# KiCad board Neptune.kicad_pcb (continued)
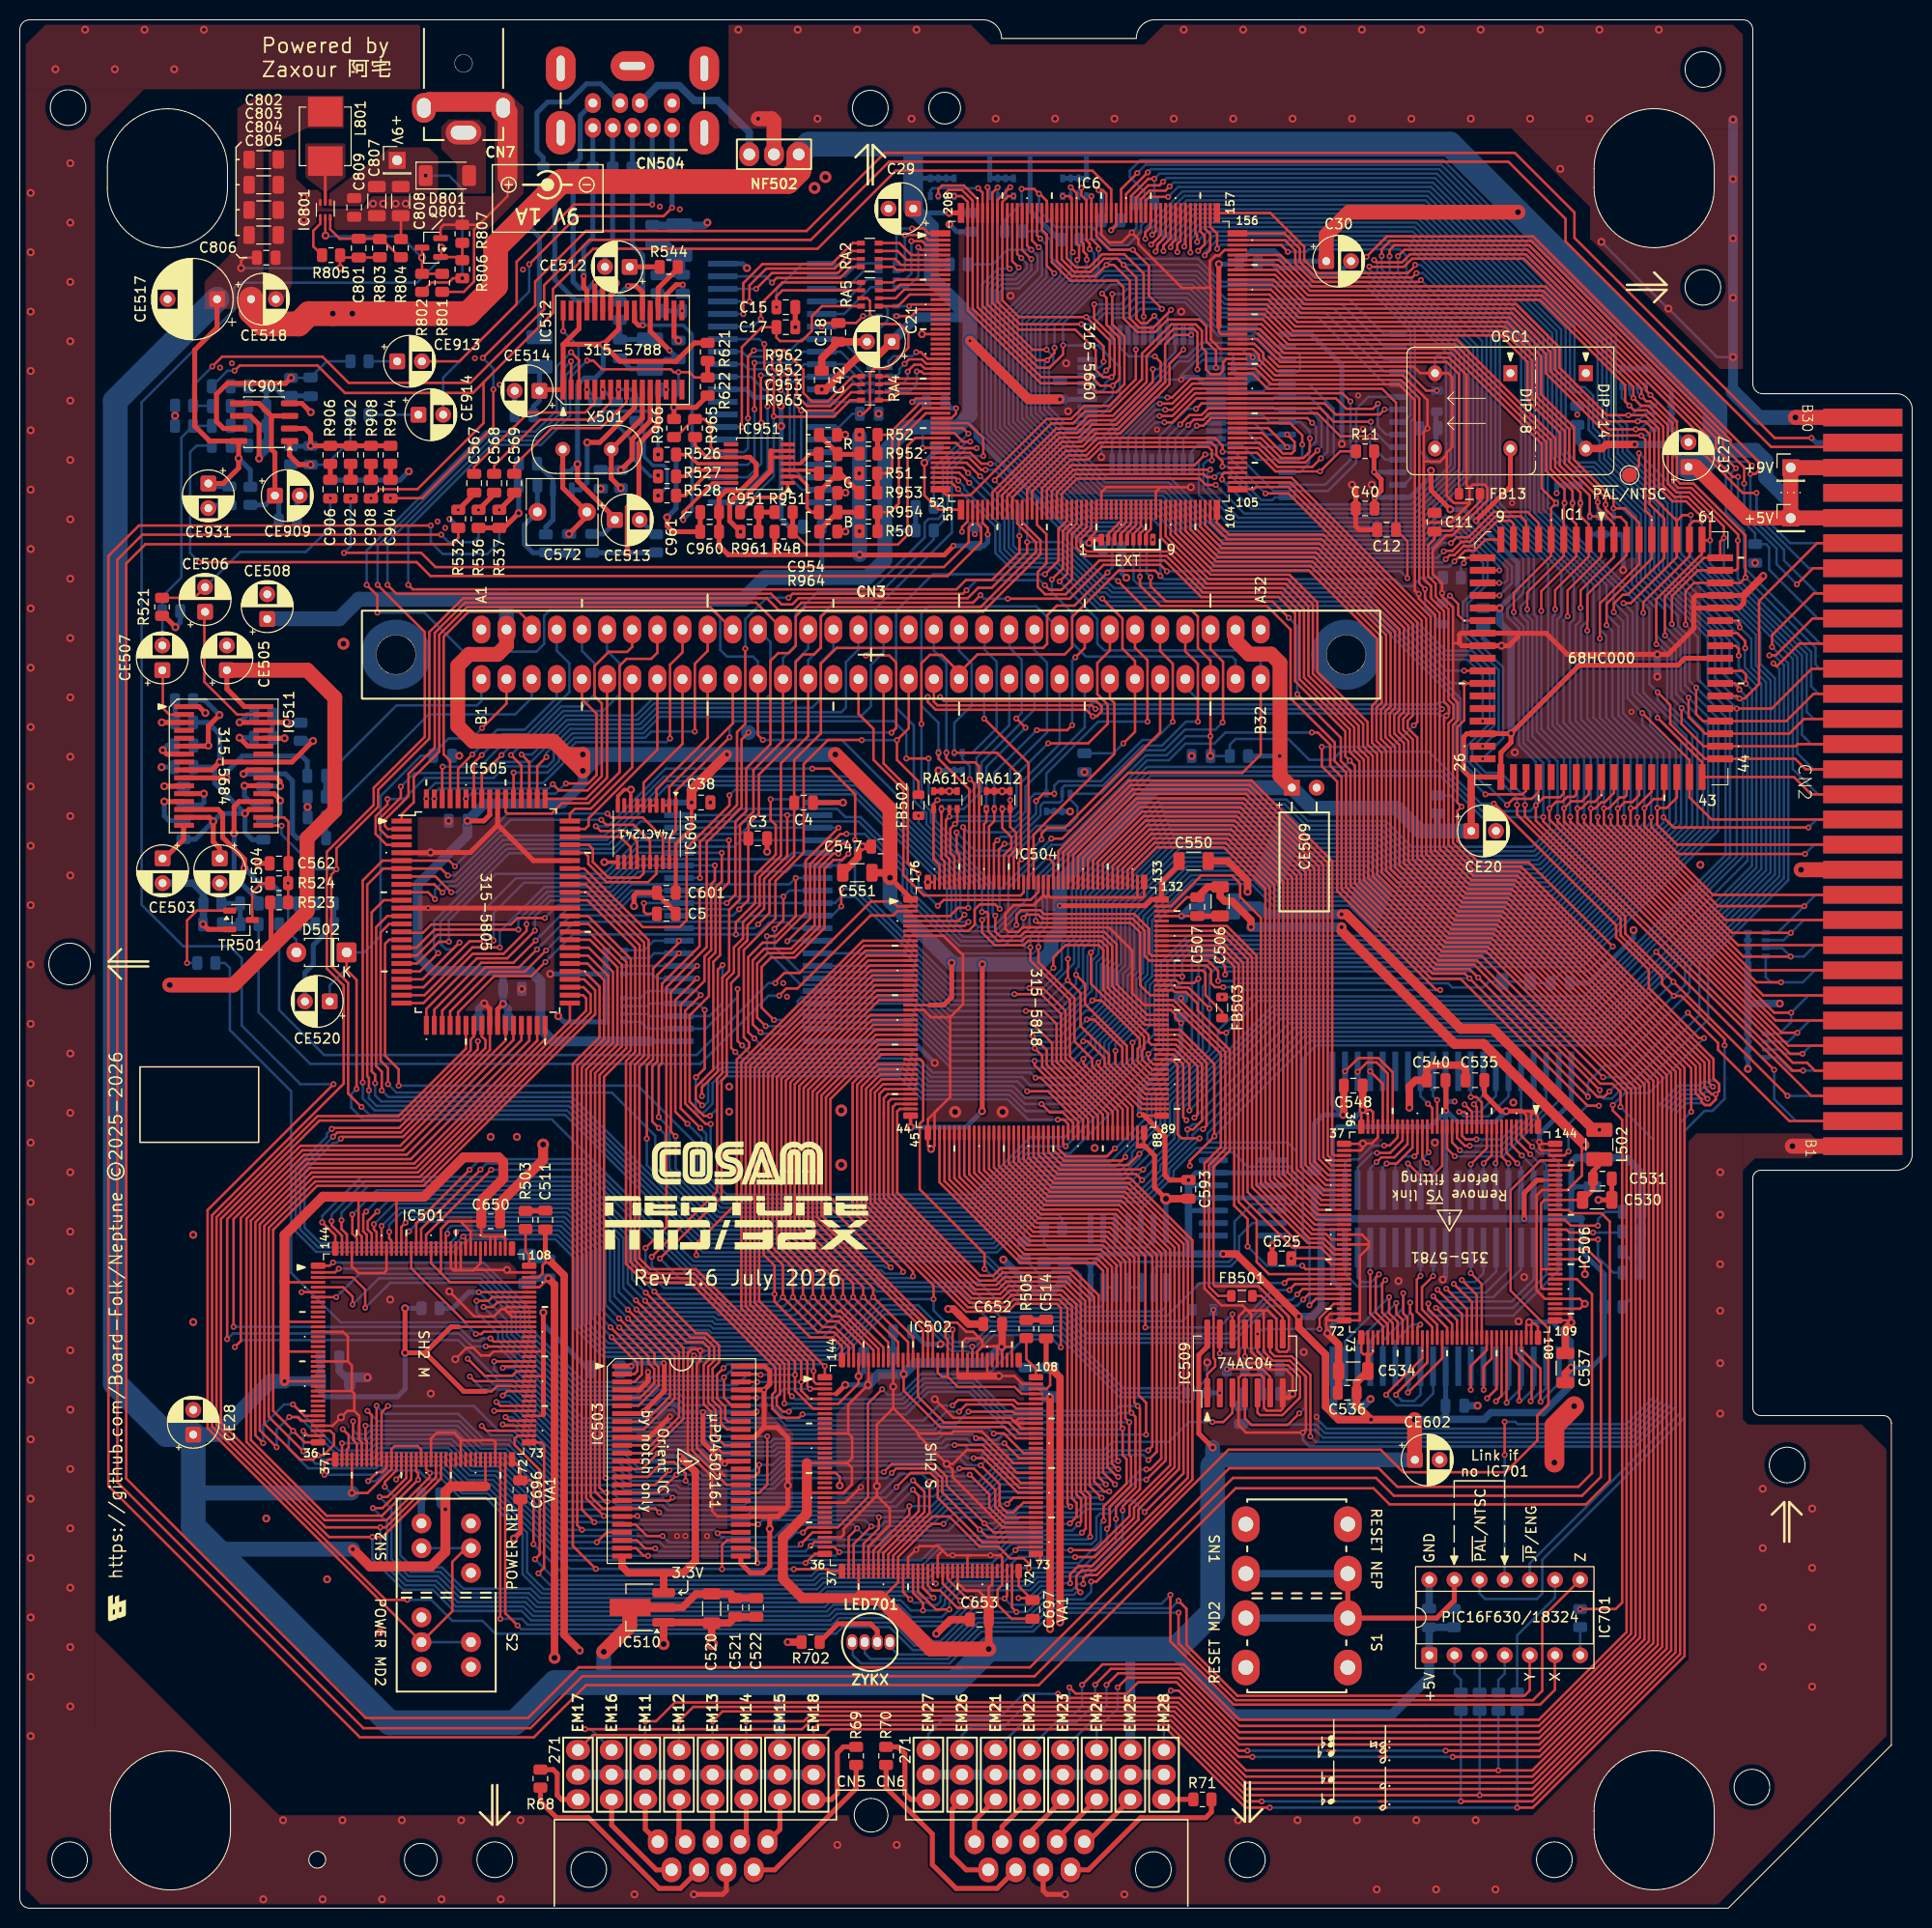
[diagram p0: board, top side]
## Routing (per net, layer and track width the routed paths; a pad name or vN(x,y) marks a point on that pad's centre or on a via; arc(x,y) is an arc through that point) (continued)
  Top w0.35: v2(59.06,105.75) IC601.11 ; IC951.5 75.88,146.68 ; IC601.10 60.42,112.43 61.07,113.08 v2(61.75,113.08) 61.72,113.05 IC601.8 ; IC951.6 75.88,147.32
  Top w0.5: v2(128.6,52) 128.22,51.62 127.6,51.62 ; 75.2,48.6 74.2,47.6 IC503.41 ; 75.2,48.6 76.55,48.6 77.6,47.55 v2(77.6,42.72) 77.6,40.6 77.4,40.4 ; 75.2,48.6 v1(75.2,52.4) ; 77.4,40.4 76.6,39.6 ; 77.4,40.4 IC503.32 ; IC503.31 76.6,39.6 ; 76.6,39.6 75.78,39.6 75.78,39.59 v2(75.78,38.35) 75.78,34.6 75.07,33.9 73.82,33.9 72.85,34.88 IC503.26 ; 48.3,109.5 45.53,106.73 v2(41.5,106.73) 41.48,106.7 IC505.5 ; 48.3,109.5 48.28,109.52 IC505.71 ; 48.3,109.5 51.9,105.9 IC505.59 ; R622.1 68.31,151.73 v2(66.1,151.73) ; v2(66.1,151.73) IC512.15 ; v2(66.1,151.73) R966.1 ; RA612.8 v2(99.26,112.92) RA612.5 ; v2(83.18,111.77) 80.15,111.77 C4.2 ; v2(78.35,159.82) C15.2 ; v2(68.1,1.4) 71.03,1.4 71.39,1.77 CN5.8 ; C525.2 126.54,65.71 v2(126.54,66.98) ; v2(83.42,139.18) R964.2 ; 66.28,100.53 66.28,100.65 64.38,102.55 C601.2 62.32,102.65 62.06,102.39 v2(62.06,101.31) ; v1(65.7,49.7) 63.6,47.6 IC503.10 ; C514.2 103.7,55.04 v1(104.1,54.64) ; v2(15.72,129.5) 14.59,130.64 R521.2 ; C12.2 135.33,139.35 134.97,139.71 C40.1 134.97,143.53 v2(134.6,143.9) ; IC505.53 v1(41.25,101.1) IC505.12 ; v2(52.9,60.22) 52.9,49.88 ; v2(83.4,148.95) 83.39,148.94 R962.2 ; IC511.1 18.1,121.47 v2(18.75,120.83) ; 112.97,77.05 113.67,77.05 114.65,76.08 114.65,72.87 v3(115.8,71.72) ; v2(46.92,91.47) 47.48,90.92 IC505.33 ; v2(72.81,139.15) 71.72,140.24 71.72,142.12 72.2,142.6 73.2,142.6 75.88,145.28 75.88,147.32 ; 53.1,68.62 53.1,65.88 v2(53.4,65.58) ; v2(60.22,164.28) 60.22,163.6 59.7,163.07 IC512.26 ; C562.1 v2(24.05,105.62) ; v1(75.2,52.4) 75.78,52.97 75.78,54.28 75.25,54.8 IC503.50 ; v1(75.2,52.4) 75.19,52.4 IC503.47 ; 151.38,128.88 151.36,128.9 IC1.16 145.62,128.9 145.46,128.73 145.46,127.87 145.7,127.62 IC1.17 150.45,127.62 151.38,128.56 151.38,128.88 ; 151.38,128.88 154.22,128.88 156.35,126.75 v2(165.45,126.75) 166.53,126.75 169.12,129.35 169.12,131.62 ; 169.12,131.62 169.12,132.44 169.39,132.71 174.18,132.71 174.18,131.93 173.68,131.44 169.31,131.44 169.12,131.62 ; TR501.2 19.03,98.95 v2(18.51,99.47) ; v2(66.55,158.48) 66.1,158.93 IC512.18 ; RA611.8 v2(93.92,112.92) RA611.5 ; 82.65,143.1 82.65,143.18 ; v2(50.4,141.03) 48.91,139.54 R537.2 R536.2 ; IC901.4 28.5,152.12 v2(29.4,151.23) ; C961.1 C960.2 66,139.15 65.4,139.75 v2(65.4,140.6) ; v2(105.6,1.4) 103.78,1.4 103.4,1.78 CN6.8 ; v1(63.47,54.19) 63.47,53.27 62.6,52.4 IC503.4 ; v2(83.42,143.1) 82.63,143.1 R963.2 ; C531.2 C530.2 v2(159.5,71.6) ; v2(75.51,106.8) C3.2 ; C696.2 50.57,38.03 v2(49.92,37.38)
  Top w0.75: v2(176.15,134.68) 174.18,132.71 ; v2(105.1,28.9) 105.1,53.64 v1(104.1,54.64) ; v2(53.4,65.58) 55,63.97 55,27.62 v2(56.57,26.05) ; 116.24,71.72 v3(115.8,71.72) 115.81,71.72 118.07,71.72 118.07,71.72 ; v2(92.6,27.75) 94.03,29.18 C653.2 ; v2(124.4,99.18) 124.4,99.88 122.47,101.8 121.75,101.8 121.28,102.28 C506.2 120.03,103.25 C507.2 ; 156.15,56.08 156.15,58.59 v2(156.77,59.2) ; C520.2 71.67,28.83 C521.2 C522.2 ; C520.2 69.82,28.9 IC510.1 v3(65.05,26.7) ; C520.2 69.9,26.72 v3(69.92,26.7) ; v2(132.11,58.12) 133.25,56.98 C534.2 133.25,52.19 C536.2 ; C548.2 133.78,80.28 v2(133.7,80.2) ; C21.2 C18.2 81.03,156.68 C42.1 ; C551.2 84.7,106.23 84.7,106.9 v2(85.12,107.33) C547.2 ; C535.2 146.08,84.8 145.65,85.22 142.55,85.22 142.15,84.83 C540.2 141.03,83.7 140.4,83.08 v2(140.4,80.93) ; v2(124.05,102.75) 124.05,103.86 122.06,105.85 C550.2 ; v2(98.92,53.8) 95,53.8 ; C652.2 95.86,59.05 94.34,60.58 v2(93.8,60.58) ; v2(77.6,26.9) R702.2
  Top w1: C650.2 48.53,71.3 52.88,75.65 v3(52.88,77.2) ; 179.98,104.98 v3(179.97,104.97) ; v2(133.55,99.18) 133.55,98.78 144.95,87.38 147.87,87.38 v2(158.1,77.15)
  Top w1.5: v3(179.4,150.7) CN2.a30 ; CN2.a12 179.98,104.98 ; v3(179.1,77.04) 179.1,77.04 CN2.a1 ; v2(74.6,180.9) 75.95,180.9 76.2,180.65 NF502.2
  Top w2: CN7.2 41.44,182.6 48.23,182.6 CN7.2 49.28,181.55 49.28,174.98
  In1.Cu w1: 56.9,23.5 56.57,23.83 v2(56.57,26.05) ; v2(158.1,77.15) 159.5,75.75 v2(159.5,71.6) 160.7,70.4 160.7,65.8 159.8,64.9 ; v2(105.1,28.9) 105.88,28.12
  In1.Cu w3: CE517.2 11.09,162.66 7.85,159.43 7.85,138.65 ; 7.97,138.78 7.85,138.65 ; 7.85,138.65 9.95,136.55 9.95,42.93 34.62,18.25 51.65,18.25 56.9,23.5 102.55,23.5 122.53,43.47 137,43.47 138.83,41.65 157.8,41.65 159.8,43.65 159.8,64.9
  Bottom w0.25: 110.17,150.09 116.91,156.82 117.92,156.82 119.35,158.25 124.64,158.25 125.62,157.26 125.62,156.29 125.29,155.95 122.9,155.95 122.6,156.25 122.6,157.03 122.45,157.18 119.55,157.18 118.42,156.05 118.42,156.05 117.35,154.97 v1(117.35,154.53) 115.89,154.53 109.27,147.91 v2(109.27,146.7) ; v1(112.35,169.4) 112.82,169.88 112.82,172.27 C2.2 ; 118.6,52.2 119.97,53.57 v2(119.97,55.17) ; 118.6,52.2 118.6,51.5 118.28,51.19 117.39,51.19 116.92,51.66 111.14,51.66 104.85,57.95 98.4,57.95 96.6,56.15 95.98,56.15 95.8,56.33 94.14,56.33 93.44,57.03 ; 118.6,52.2 118.6,52.72 118.19,53.13 117.49,53.13 116.92,52.56 111.51,52.56 105.22,58.85 98.03,58.85 96.58,57.4 95.98,57.4 95.8,57.23 94.51,57.23 90.79,60.95 87.03,60.95 82.43,56.35 68.77,56.35 v1(68.75,56.37) 68.51,56.37 68.23,56.65 59.31,56.65 56.92,59.04 56.92,66.09 54.49,68.53 44.25,68.53 v1(44.07,68.35) 44.07,67.84 43.49,67.25 30.32,67.25 28.78,68.8 28.78,74.48 31.67,77.37 32,77.37 v1(32.43,77.8) ; v1(108.42,120.48) 108.42,120.56 108.46,120.6 ; v1(108.42,120.48) 108.05,120.85 108.05,121.6 108.32,121.87 108.93,121.87 109.12,121.68 143.14,121.68 143.37,121.91 143.97,121.91 144.4,121.48 144.4,120.81 v1(144.15,120.56) ; v1(108.42,120.48) 108.8,120.48 109.09,120.78 143.2,120.78 143.41,120.56 v1(144.15,120.56) ; C10.2 141.38,147.35 142.58,146.15 143.43,146.15 144.11,146.83 144.11,147.08 144.11,147.09 144.11,148.02 144.11,148.03 144.11,156.35 143.5,156.96 143.21,156.96 142.98,156.74 OSC1.7 ; v1(31.52,78.78) 31.03,78.3 31.03,78.01 27.88,74.85 27.88,68.43 29.95,66.35 43.86,66.35 44.79,67.28 45.06,67.28 45.41,67.62 54.12,67.62 56.03,65.72 56.03,58.67 58.94,55.75 67.37,55.75 67.87,55.25 69.3,55.25 69.5,55.45 82.8,55.45 87.4,60.05 90.41,60.05 93.03,57.44 ; 93.44,57.03 93.03,57.44 ; 93.44,57.03 v2(93.03,57.03) 93.03,57.44 ; v2(173.1,156.8) 171.47,156.8 v2(166.58,161.7) 166.55,161.7 v2(159.8,168.45) ; v1(144.15,120.56) 144.12,120.6 ; v1(171.35,82.28) 171.35,81.76 170.78,81.19 170.26,81.19 170.07,81.38 168.35,81.38 167.3,80.33 167.3,50.72 163.26,46.68 130.3,46.68 129.63,47.35 v1(129.63,48.08) 129.9,48.35 130.9,48.35 131.67,47.58 162.88,47.58 166.39,51.08 166.39,80.69 167.98,82.28 170.05,82.28 170.28,82.5 170.73,82.5 170.95,82.28 v1(171.35,82.28) ; v1(171.35,82.28) 171.7,82.63 171.7,83.3 171.33,83.67 170.82,83.67 170.64,83.49 169.99,83.49 169.68,83.18 167.6,83.18 165.49,81.06 165.49,51.45 162.51,48.47 132.05,48.47 131.02,49.5 v1(131.02,49.68) ; 168.58,148.23 CE27.2
  Bottom w0.5: C527.2 85.28,54.3 v2(84.75,53.78) ; v1(144.97,81.55) 144.08,81.55 144.06,81.56 IC507.30 ; v1(153.53,77.45) 153.53,78.24 156.76,81.47 IC507.40 ; v2(73.47,165.8) 73.03,166.24 IC7.40 ; v2(132.11,58.12) 132.11,58.41 133.6,59.9 133.6,62.5 132.63,63.47 IC508.21 ; v1(157.36,150.98) C45.2 ; v2(53.59,94.45) RM6.1 ; RM6.1 RM5.4 RM5.1 54.98,89.6 v2(54.41,90.18) ; RM6.1 RM6.4 ; C10.2 142.26,149.61 ; 158.62,138.9 CA602.1 161.7,138.9 162,138.6 v2(162,135.27) ; C50.2 94.67,169.48 v2(93.92,170.22) ; v1(43.41,140.43) R535.2 ; v1(155.28,143.04) CA601.1 CA601.4 ; v2(15.69,150.88) R41.2 R909.2 ; v2(65.4,140.6) 66.31,141.51 R531.2 R530.2 R529.2 ; CE931.2 19.35,141.82 C930.2 ; v2(83.18,111.77) IC2.1 ; v2(92.45,85.45) 90.26,87.64 IC2.20 ; v3(115.8,71.72) IC516.7 ; C32.2 126.47,166.35 127.03,165.8 129.92,165.8 130.75,164.98 132.97,164.98 C30.2 ; RA601.8 v2(106.12,110.87) ; v2(111.8,134.5) 111.32,134.98 C48.2 ; C541.2 130.8,79.3 131.7,80.2 v2(133.7,80.2) 132.63,81.27 IC507.21 ; v2(126.54,66.98) 126.54,67.99 IC515.7 ; IC5.14 130.46,159.13 133.57,156.02 v2(133.57,148.02) ; IC7.30 73.41,153.54 74.21,152.74 76.03,152.74 v2(76.9,151.88) 76.92,151.85 76.92,140.45 77.72,139.65 C642.1 ; v2(91.4,146.12) 92.65,147.38 C51.2 ; v2(15.72,129.5) 16.21,129.99 R522.2 ; C528.2 91.42,57.03 v2(93.03,57.03) ; v1(96.5,138.9) 96.5,139.6 ; v2(128.6,52) C526.2 ; 174.6,89.12 RM3.4 RM3.1 v2(174.6,84.85) ; 168.58,148.23 168.12,148.23 CA603.4 CA603.1 166.85,153.48 164.67,155.65 CA604.4 CA604.1 ; 122.6,156.25 122.6,155.38 123.1,154.88 C9.2 123.84,154.14 IC4.26 119.61,154.14 119,154.75 117.57,154.75 v1(117.35,154.53) ; CE909.2 27.99,142.51 R914.1 ; v1(109,173.68) 109.32,173.35 109.32,170.62 ; C580.1 CE514.2 ; v2(92.82,115.01) RA602.5 ; C553.2 158.5,93.53 163.05,98.08 v2(163.05,98.88) ; R516.1 31.72,99.51 C555.2 29.65,97.36 29.65,95.43 28.81,94.58 CE520.2 ; 174.6,95.5 RM4.1 RM4.4 ; C49.2 90.17,152.25 v1(90.17,152.26) ; v2(39.3,145.25) 38.41,144.36 R910.2 ; C563.1 v2(14.32,115.35) ; v2(149.7,127.62) 148.61,127.62 147.85,128.39 C37.1 ; 144.06,66.8 144.06,63.84 v2(143.78,63.55) ; v2(50.4,141.03) C570.1 50.4,145.99 R539.2 ; C523.2 57.45,54.47 52.9,59.03 v2(52.9,60.22) ; v2(156.77,59.2) IC508.40 ; v2(44.4,116.5) C595.1
  Bottom w0.75: v2(136.47,51.47) 135.8,50.8 C539.2 ; C701.2 142.4,30.33 142.4,33.19 ; C592.1 104.29,62.25 102.69,62.25 v2(99.37,65.58) ; 32.28,55.65 32.28,54.33 C517.2 ; C512.2 51.78,65.58 v2(53.4,65.58) ; 174.6,91.45 174.6,89.12 ; 174.6,91.45 v2(177.83,91.45) ; 174.6,91.45 174.6,95.5 ; R511.1 29.09,111.31 v2(29.07,111.33) 29.09,111.34 R512.1 ; v2(46.92,91.47) 46.38,90.93 C508.2 ; 40.58,39.4 40.57,39.41 C651.2 ; v1(104.1,54.64) 101.64,54.64 C516.2 ; C538.2 v2(147.3,50.8) ; CE503.2 17.53,103.62 18.55,102.6 R514.1 18.55,99.51 v2(18.51,99.47) ; v2(69.47,170.4) 69.19,170.11 63.99,170.11 C578.2 ; v1(156.8,75.4) 157.28,75.88 C699.2 162.33,75.88 163.85,74.35 C532.2 163.85,68.45 C533.2 163.76,68.36 R509.1 ; v2(165.45,126.75) v2(165.45,124.5)
  Bottom w1: EM17.2 EM18.2 ; 179.98,104.98 v3(179.97,104.97) ; EM27.2 EM28.2 ; 173.1,153.3 v2(173.1,180.8) ; C517.2 33.7,53.65 v2(35.12,53.65) ; v2(124.4,99.18) v2(133.55,99.18)
  Bottom w1.5: 173.1,153.3 175.7,150.7 v3(179.4,150.7) 179.4,150.7 186.21,150.7 CN2.a30 ; CN2.a12 179.98,104.98 ; CN2.a1 179.1,77.04 v3(179.1,77.04)
  vias: v1(20.24,155.74) v1(21.43,156.18) v1(42.21,140.19) v1(42.98,139.54) v1(45.98,156.69) v1(48.49,154.01) v1(50.84,165.65) v1(64.67,172.01) v1(66.4,37.62) v1(66.68,171.74) v1(67.25,37.62) v1(69.44,37.62) v1(77.13,93.52) v1(77.52,92.15) v1(114.91,149.48) v1(135.22,152.93) v1(135.7,149.55) v1(150.78,142.05) v1(162.83,120.95) v2(1.1,173.4) v2(1.1,167.4) v2(1.1,161.4) v2(1.1,155.4) v2(1.1,149.4) v2(1.1,143.4) v2(1.1,137.4) v2(1.1,131.4) v2(1.1,125.4) v2(1.1,119.4) v2(1.1,113.4) v2(1.1,107.4) v2(1.1,101.4) v2(1.1,95.4) v2(1.1,89.4) v2(1.1,83.4) v2(1.1,77.4) v2(1.1,71.4) v2(1.1,65.4) v2(1.1,59.4) v2(1.1,53.4) v2(1.1,47.4) v2(1.1,41.4) v2(1.1,35.4) v2(1.1,29.4) v2(1.1,23.4) v2(1.1,17.4) v2(3.6,185.9) v2(5.1,176.4) v2(5.1,170.4) v2(5.1,164.4) v2(5.1,158.4) v2(5.1,152.4) v2(5.1,146.4) v2(5.1,140.4) v2(5.1,134.4) v2(5.1,128.4) v2(5.1,122.4) v2(5.1,116.4) v2(5.1,110.4) v2(5.1,104.4) v2(5.1,86.4) v2(5.1,80.4) v2(5.1,74.4) v2(5.1,68.4) v2(5.1,62.4) v2(5.1,56.4) v2(5.1,50.4) v2(5.1,44.4) v2(5.1,38.4) v2(5.1,32.4) v2(5.1,26.4) v2(5.1,20.4) v2(6.6,189.9) v2(9.6,185.9) v2(12.6,189.9) v2(15.6,185.9) v2(17.53,68.08) v2(17.53,59.25) v2(18.6,189.9) v2(24.6,0.9) v2(24.9,39.4) v2(26.6,8.9) v2(28.71,172.95) v2(28.71,171.81) v2(28.71,170.66) v2(30.6,0.9) v2(31.05,33.25) v2(32.6,8.9) v2(35.69,172.31) v2(36.4,27.9) v2(36.6,0.9) v2(36.71,172.31) v2(37.42,61.53) v2(37.98,172.31) v2(38.6,8.9) v2(38.99,172.31) v2(41.53,52.03) v2(42.6,0.9) v2(43.33,109.92) v2(44.6,8.9) v2(47.57,77.97) v2(48.6,0.9) v2(50.22,77.97) v2(50.6,8.9) v2(50.72,92.93) v2(58.7,143.5) v2(62.1,1.4) v2(69.78,111.78) v2(71.67,83.05) v2(71.67,80.53) v2(72.6,189.9) v2(76.92,149.82) v2(78.6,189.9) v2(80.6,180.9) v2(82.6,6.4) v2(84.6,189.9) v2(86.78,151.07) v2(88.6,6.4) v2(90.1,180.9) v2(90.6,189.9) v2(98.6,180.9) v2(100.1,163) v2(104.6,180.9) v2(105.72,156.18) v2(105.92,151.32) v2(107.57,114.85) v2(108.6,76.85) v2(110.6,180.9) v2(111.6,1.4) v2(116.6,180.9) v2(117.35,161.4) v2(117.6,189.9) v2(118.4,116.48) v2(122.6,180.9) v2(123.1,8.9) v2(123.6,189.9) v2(128.6,180.9) v2(129.1,8.9) v2(129.6,189.9) v2(129.73,56.22) v2(134.6,180.9) v2(135.1,8.9) v2(135.6,189.9) v2(136.6,143.9) v2(137.1,1.9) v2(139.3,63.4) v2(140.6,180.9) v2(141.1,8.9) v2(141.6,189.9) v2(142.97,77.4) v2(143.1,1.9) v2(146.6,180.9) v2(147.1,8.9) v2(147.6,189.9) v2(149.1,1.9) v2(150.9,81.45) v2(151.05,116.85) v2(151.42,59.33) v2(152,63.8) v2(152.6,180.9) v2(153.6,189.9) v2(155.65,175.82) v2(158.6,180.9) v2(159.6,189.9) v2(165.6,189.9) v2(169.8,105.48) v2(171.8,74.4) v2(171.8,70.1) v2(171.8,65.1) v2(171.8,60.4) v2(171.8,55.1) v2(171.8,50) v2(173.1,174.8) v2(173.1,168.8) v2(173.1,162.8) v2(175.33,136) v2(176.1,42.4) v2(176.1,36.4) v2(176.1,30.4) v2(176.1,24.4) v2(181.1,40.4) v2(181.1,34.4) v2(181.1,28.4) v2(181.1,22.4) v3(32.7,127.83) v3(83,80.65) v3(83,75.15) v3(94.5,80.5) v3(99.3,80.5)
